# Altium PCB LION_TRACKER.PcbDoc (part 2 of 2)
Units mm, origin at the board's own origin, x right, y up, seen from the top; angles counter-clockwise.
Board outline 21 x 82 mm, 2 copper layers (Top Layer, Bottom Layer), stack 1.579 mm thick; 109 components, 84 nets, 411 pads, 548 vias.
Unrouted connection lines stored in the file: 5.
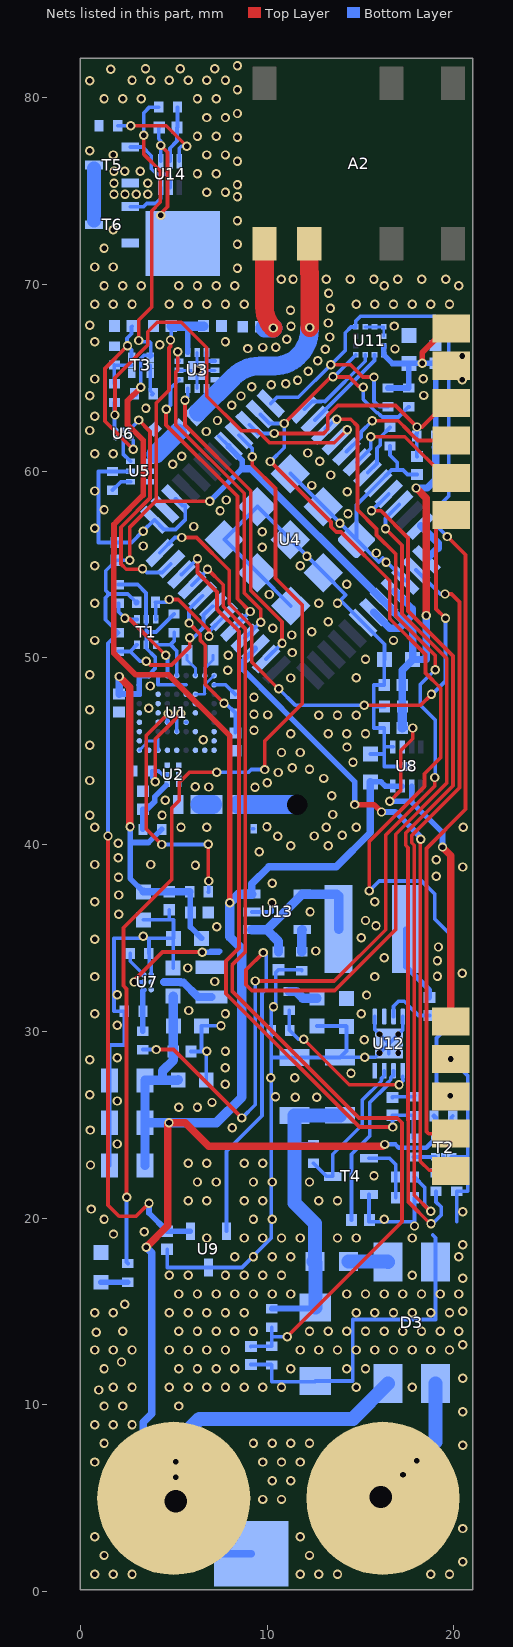
[diagram p2: the nets of this part, all layers, seen from the top]

## Via types
v1: diameter 0.5, hole 0.3, Top Layer to Bottom Layer, tented both sides, 542 vias
v2: diameter 0.3, hole 0.3, Top Layer to Bottom Layer, tented both sides, 4 vias
v3: diameter 1.2, hole 1.2, Top Layer to Bottom Layer, tented both sides, 2 vias

## Nets (pads, with @x,y where several pads share a name; then routed paths per layer and width w, separated by ;. In a path a pad name is that pad's centre, name@x,y a point inside that pad or via, vN(x,y) a via of type N, cw(c..) or ccw(c..) an arc to the next point about the centre after c; other vN are vias at no path point)
+1.8V: C3.2 C4.2 C22.2 C23.2 C24.2 L5.2 R1.2 R4.2 R5.1 R7.1 T1.2 T1.5 U1.G1 U1.H1 U1.J1 U1.J2 U7.B2 | length 37.5
  Top Layer w0.2: v1(2.875,32.65) 2.875,32.735 4.39,34.25 v1(6.525,34.25)
  Top Layer w0.4: v1(2.08,49.01) 2.65,48.44 2.65,41.02 v1@2.7,40.97
  Bottom Layer w0.2: R5.1@2.04,53.93 3.07,53.93 3.52,53.48 3.52,52.075 T1.2@3.53,52.065 3.53,51.39 ; v1(2.875,32.65) 3.38,32.65 U7.B2@3.39,32.64 ; U1.J2@3.66,49.06 3.66,49.093 4,49.433 4,49.625 4.007,49.632 4.007,50.027 4,50.034 4,50.049 3.53,50.519 T1.5@3.53,50.715 3.53,51.39 ; R7.1@5.02,52.359 4.051,51.39 3.53,51.39
  Bottom Layer w0.3: C3.2@2.07,48.07 3.15,48.07 U1.G1@3.16,48.06 U1.H1@3.16,48.56 U1.J1@3.16,49.06 U1.J2@3.66,49.06 ; v1(2.66,40.97) 2.66,40.156 ; C24.2@3.37,37.48 2.66,38.19 2.66,40.156 ; R1.2@4.35,40.82 3.65,40.12 2.696,40.12 2.66,40.156 ; R4.2@5.85,37.48 5.89,37.44 C22.2@5.89,36.37 5.89,35.59 C23.2@6.49,34.99 ; v1(6.525,34.25) 7.41,34.25 7.452,34.292 6.976,34.292
  Bottom Layer w0.4: C3.2@2.07,48.07 2.08,48.08 v1(2.08,49.01) ; C24.2@3.39,37.5 C24.2@3.37,37.48 C4.2@4.76,37.48 R4.2@5.85,37.48 R4.2@5.83,37.46
+2.5V: C8.2 C9.2 C12.2 C13.2 C14.2 C15.2 C34.2 C36.1 C37.1 C38.2 pad.101 pad.201 R6.2 R8.2 R10.2 R11.2 R18.2 U3.4 U4.4 U4.5 U4.6 U4.32 U8.2 U8.6 U9.1 U11.9 U11.10 | length 137.2
  Top Layer w0.2: v1(1.48,40.47) 1.48,20.695 2.075,20.1 2.975,20.1 v1(3.675,20.8) ; v1(2.65,55.23) 2.65,57.018 4.022,58.39 ; v1(4.825,67.028) 4.825,66.684 4.743,66.603 4.743,64.333 4.061,63.651 4.061,58.429 4.022,58.39 ; v1(6.92,58.39) 4.022,58.39 ; v1(16.575,42.325) 17.15,42.9 17.15,45.027 17.798,45.675 v1(17.798,46.25)
  Top Layer w0.3: v1(18.305,65.78) 18.305,66.355 20,68.05 19.925,68.125 pad.101@19.625,68.125
  Top Layer w0.4: v1(17.976,59.103) 18.525,58.554 v1(18.525,52.275) ; v1(19.391,39.875) 19.843,39.423 pad.201@19.843,30.525
  Bottom Layer w0.2: v1(1.48,40.47) 1.48,50.79 R6.2@2.04,51.35 1.34,52.05 1.34,53.23 1.54,53.43 ; v1(2.65,55.23) C15.2@1.92,55.23 1.36,54.67 1.36,53.61 1.54,53.43 ; R8.2@3.02,52.98 2.99,52.98 2.54,53.43 1.54,53.43 ; v1(4.825,67.028) 4.87,67.073 C9.2@4.87,67.77 ; U4.32@7.412,61.88 U4.32@7.93,61.362 ; C34.2@17.235,46.25 v1(17.798,46.25)
  Bottom Layer w0.3: R8.2@3,52.96 R8.2@3.02,52.98 ; v1(3.675,20.8) 3.675,20.275 C36.1@4.65,19.3 U9.1@5.89,19.3 ; 5.735,67.77 cw(c5.694,67.729) 5.752,67.729 U3.4@5.752,66.362 ; v1(6.92,58.39) 8.67,60.14 8.67,60.584 7.93,61.324 U4.32@7.93,61.362 ; U11.9@16.25,66.73 U11.10@16.25,66.23 16.71,65.77 C37.1@17.59,65.77 ; R11.2@16.47,64.46 R10.2@17.59,64.46 C37.1@17.59,65.77 ; v1(16.575,42.325) 17.71,42.325 ; U8.6@17.735,43.14 17.735,43.12 17.735,42.35 17.71,42.325 ; R18.2@19.02,61.89 19.02,65.77 C38.2@19.01,65.78 17.6,65.78 C37.1@17.59,65.77 ; v1@19.454,39.938 v1(19.391,39.875) 19.391,40.645 17.71,42.325
  Bottom Layer w0.4: 8.67,60.14 9.138,60.14 U4.5@16.266,53.011 17.381,51.897 ; U4.6@15.701,52.446 16.556,51.59 17.073,51.59 17.381,51.897 ; U4.4@16.832,53.577 17.76,52.649 17.76,52.277 17.381,51.897 ; C13.2@17.245,47.4 17.245,48.54 C14.2@17.235,48.55 17.235,49.345 C12.2@17.8,49.91 ; C12.2@17.81,49.9 C12.2@17.8,49.91 ; v1(17.976,59.103) 18.578,59.103 19.02,59.545 19.02,61.302 ; v1(18.525,52.275) 18.525,49.92 C12.2@17.79,49.92 ; 19,61.282 19.02,61.302 ; R18.2@19.02,61.89 19.02,61.302 ; 17.381,51.897 17.79,51.488 C12.2@17.79,49.92 ; C12.2@17.79,49.92 C12.2@17.8,49.91
  Bottom Layer w0.5: C9.2@4.87,67.77 5.735,67.77 C8.2@6.6,67.77 ; C34.2@17.235,46.25 17.235,47.39 C13.2@17.245,47.4
A_INT1: U4.37 U11.12 | length 4.7
  Bottom Layer w0.2: U4.37@11.988,63.314 12.413,63.738 12.884,63.738 12.891,63.746 13.079,63.746 13.087,63.738 13.096,63.738 15.25,65.893 U11.12@15.25,66.23
A_INT2: U4.38 U11.11 | length 4.8
  Bottom Layer w0.2: U4.38@12.561,62.741 15.75,65.93 U11.11@15.75,66.23
AC+: D3.4 TAB3.1 | length 15.8
  Bottom Layer w0.75: v3(5.11,4.85) 5.11,7.99 6.38,9.26 14.59,9.26 D3.4@16.48,11.15
  other v1: 5.11,6.119 5.11,6.949
AC-: D3.3 TAB1.1 | length 7.3
  Bottom Layer w0.75: v3(16.08,5.07) 19.02,8.01 D3.3@19.02,11.15
  other v1: 17.276,6.266 18.019,7.009
ANT: A2.2 C7.2 U3.9 U3.10 | length 12.6
  Top Layer w1: A2.2@12.26,72.18 12.26,70.654 ccw(c12.294,70.654) 12.27,70.63 12.28,70.62 v1(12.28,67.7)
  Bottom Layer w1: 6.312,63.172 8.18,65.04 cw(c9.629,63.591) 9.629,65.64 10.386,65.64 ccw(c10.386,67.484) 11.69,66.18 ccw(c10.29,67.58) 12.27,67.58 12.28,67.59 v1(12.28,67.7)
BAT_AN: C10.2 R12.1 R15.2 U4.22 | length 40.6
  Top Layer w0.2: v1(6.27,55.31) 6.27,54.58 7.321,53.529 7.321,52.629 7.348,52.602 7.348,52.59 7.375,52.563 7.375,52.55 8.496,51.429 8.496,36.705 8.498,36.703 8.498,34.473 7.8,33.775 7.8,32.025 14.945,24.88 v1(16.72,24.88)
  Bottom Layer w0.2: U4.22@5.414,54.466 5.426,54.466 v1(6.27,55.31) ; v1(16.72,24.88) 16.71,24.89 C10.2@16.71,25.51 17.84,25.51 R15.2@17.84,25.5 R12.1@17.84,24.28
BAT_MON_EN: R14.1 U4.45 | length 45.4
  Top Layer w0.2: v1(15.59,57.88) 16.095,57.88 17.549,56.426 17.549,52.51 19.95,50.109 19.95,43.163 17.422,40.635 17.422,39.969 17.549,39.842 17.549,38.426 17.55,38.425 17.55,25.252 17.552,25.25 17.552,20.888 18.74,19.7 v1(18.775,19.7)
  Bottom Layer w0.2: v1@15.583,57.857 v1@15.59,57.865 ; v1@15.59,57.82 v1@15.59,57.865 ; v1(15.59,57.88) v1@15.59,57.865 ; U4.45@16.514,58.788 v1@15.59,57.865 ; v1(18.775,19.7) 18.85,19.7 19.325,20.175 19.325,20.595 19.05,20.87 R14.1@19.05,21.44
BOOT0: R17.1 U4.43 | length 2.9
  Bottom Layer w0.2: U4.43@15.382,59.92 15.88,60.417 15.88,61.23 16.053,61.403 16.053,61.823 R17.1@16.58,62.35
CHG_DIS: R31.1 U4.2 | length 39.4
  Top Layer w0.2: v1@18.779,20.331 17.879,21.231 17.879,25.386 17.877,25.388 17.877,38.56 17.876,38.562 17.876,39.977 17.749,40.104 17.749,40.5 20.298,43.049 20.298,53.002 19.875,53.425 v1(19.525,53.425)
  Bottom Layer w0.2: R31.1@17.89,22.2 18.44,21.65 18.44,20.71 v1(18.77,20.38) ; U4.2@17.97,54.716 19.266,53.42 19.271,53.425 v1(19.525,53.425)
GND: C1.1 C3.1 C4.1 C8.1 C9.1 C10.1 C11.1 C12.1 C13.1 C14.1 C15.1 C16.2 C17.1 C18.1 C19.1 C20.1 C21.1 C22.1 C23.1 C24.1 C28.1 C29.1 C30.1 C31.1 C32.1 C33.1 C34.1 C36.2 C37.2 C38.1 C40.1 C41.1 C42.1 C43.1 C44.1 D1.A D2.1 D3.2 D4.A L3.1 L4.1 pad.102 pad.202 R3.1 R15.1 R16.1 R17.2 R19.1 R22.1 R24.1 R25.1 R29.1 R30.1 R32.1 R34.1 R36.1 T2.1 T3.1 T4.2 T5.2 U1.A1 U1.A3 U1.A5 U1.A7 U1.A8 U1.A9 U1.B9 U1.C7 U1.C9 U1.D6 U1.E7 U1.F7 U1.G3 U1.G6 U1.G7 U1.J3 U1.J9 U2.1 U2.2 U3.0 U3.2 U3.5 U3.6 U3.7 U3.8 U3.11 U4.3 U4.7 U4.25 U4.27 U4.44 U4.49 U4.50 U4.51 U4.52 U4.53 U4.54 U4.55 U4.56 U4.57 U5.2 U5.5 U6.B2 U6.C1 U7.A3 U8.0 U8.1 U9.3 U11.5 U11.6 U11.7 U11.8 U12.5 U12.8 U12.9 U13.2 | length 171.9
  Bottom Layer w0.152: U1.A1@3.16,45.06 3.513,45.413 3.513,45.56 4.036,45.56 4.16,45.684 U1.A3@4.16,45.06 ; U3.2@5.29,65.4 v1(6.252,65.4) ; U1.G7@6.16,48.06 6.64,48.06 6.67,48.09 6.65,48.11 6.65,48.55 U1.J9@7.16,49.06 ; U3.11@6.252,64.438 v1(6.252,65.4) ; U3.5@6.252,66.362 v1(6.252,65.4) ; U3.8@7.214,65.4 v1(6.252,65.4) ; U11.5@15.25,67.73 U11.6@15.75,67.73 U11.7@16.25,67.73 U11.8@16.25,67.23
  Bottom Layer w0.2: C29.1@1.56,22.818 C30.1@1.56,25.118 C28.1@1.56,27.38 1.56,29.27 2.35,29.27 R24.1@2.35,31.08 1.8,31.08 1.8,34.99 3.67,34.99 ; U5.5@2.68,59.99 R19.1@1.72,59.99 0.97,59.99 0.97,56.19 C15.1@1.92,56.19 2.754,56.19 v1(3.36,56.795) U4.25@3.965,57.4 4.485,56.88 5.1,56.88 5.61,57.39 5.61,58.162 5.47,58.162 U4.27@5.098,58.534 ; C24.1@3.37,35.98 4.76,35.98 ; U7.A3@3.79,33.04 3.79,33.63 3.69,33.63 3.69,34.18 R25.1@3.67,34.18 3.67,34.99 ; U1.J3@4.16,49.06 4.16,48.56 5.66,48.56 ; C36.2@4.65,18.34 4.65,17.36 U9.3@6.86,17.36 8.65,17.36 10.215,18.925 10.215,28.607 ; C4.1@4.76,36.52 4.76,35.98 ; C18.1@4.97,33.39 C23.1@4.97,34.99 ; U1.D6@5.66,46.56 U1.D6@5.693,46.56 ; C21.1@5.93,28.93 6.48,28.93 ; C19.1@6.74,27.4 6.74,28.93 6.48,28.93 ; U3.6@6.752,66.362 6.752,65.9 U3.7@7.214,65.9 ; v1(7.53,30.31) 6.48,30.31 C20.1@6.48,30.29 6.48,28.93 ; C44.1@9.13,12.17 10.22,12.17 R34.1@10.25,12.14 10.25,11.235 D4.A@12.58,11.235 ; U13.2@9.18,36.4 10.255,36.4 10.26,36.405 v1(10.26,36.884) ; D1.A@9.215,40.85 D1.A@9.29,40.85 ; U4.51@11.248,59.875 U4.50@13.016,58.108 v1(13.9,57.224) U4.49@14.784,56.34 ; U4.55@11.266,52.787 U4.56@9.48,54.572 U4.57@7.712,56.34 U4.54@9.48,58.108 U4.53@11.248,56.34 v1(12.132,55.456) U4.52@13.016,54.572 14.208,53.38 14.208,53.368 13.935,53.095 U4.7@15.142,51.887 16.29,50.739 C12.1@16.29,49.92 16.275,49.905 C14.1@16.275,48.55 15.715,48.55 15.715,47.4 ; R29.1@11.86,33.26 11.86,33.3 C40.1@10.61,33.3 10.467,33.157 10.467,31.452 v1(10.341,31.326) 10.215,31.2 R30.1@10.215,30.051 10.215,28.607 ; D4.A@12.58,11.285 14.59,11.285 14.59,14.57 19.02,14.57 D3.2@19.02,17.65 19.02,18.955 18.873,19.102 ; C42.1@12.67,30.287 14.23,30.287 C41.1@14.25,30.267 14.25,28.957 C32.1@13.91,28.617 ; T4.2@15.46,21.27 15.46,19.81 17.89,19.81 R32.1@17.89,21.1 ; C33.1@15.535,44.86 16.275,44.86 ; U12.5@15.77,30.797 15.77,30.097 v2(16.02,29.847) U12.9@16.52,29.347 ; C13.1@16.285,47.4 15.715,47.4 ; U12.9@16.52,28.82 U12.9@16.52,29.347 ; R17.2@16.58,61.35 16.58,60.86 16.968,60.472 16.968,60.07 ; C10.1@16.71,26.47 16.71,26.5 R15.1@17.84,26.5 R15.1@17.908,26.568 ; U8.1@16.735,45.24 16.275,45.24 ; U12.8@17.27,30.797 17.27,30.097 v2(17.02,29.847) U12.9@16.52,29.347 ; U4.3@17.398,54.143 16.39,55.15 16.19,55.35 15.983,55.143 15.981,55.143 U4.49@14.784,56.34 ; U8.0@17.485,44.19 16.275,44.19 16.275,44.86 ; C11.1@18.03,59.83 17.513,59.83 17.273,60.07 16.968,60.07 ; v1(19.843,28.525) 20.75,27.618 20.75,23.28 ; T2.1@19.88,23.28 20.75,23.28 ; 20.15,19.81 R16.1@20.15,21.44 20.75,21.44 20.75,23.28 ; 3.67,34.99 C23.1@4.97,34.99 ; 4.76,35.98 4.99,35.98 C23.1@4.99,34.99 C23.1@4.97,34.99 ; 10.215,28.607 C31.1@11.47,28.607 13.9,28.607 C32.1@13.91,28.617 ; C32.1@13.91,28.617 v1(15.232,28.617) 15.79,28.617 v2(16.02,28.847) U12.9@16.52,29.347 ; U4.49@14.784,56.34 14.784,58.19 U4.44@15.948,59.354 16.664,60.07 16.968,60.07 ; 15.715,47.4 15.715,46.25 C34.1@16.275,46.25 16.275,45.24 ; 16.275,44.86 16.275,45.24
  other v1: 0.768,0.94 1.768,0.94 2.768,0.94 11.768,0.94 12.768,0.94 13.768,0.94 18.768,0.94 19.768,0.94 20.48,1.6 1.268,1.94 12.268,1.94 0.768,2.94 11.768,2.94 20.48,3.38 9.768,4.94 10.768,4.94 10.268,5.94 11.268,5.94 0.768,6.94 9.768,6.94 10.768,6.94 11.768,6.94 20.48,7.85 1.268,7.94 9.268,7.94 10.268,7.94 11.268,7.94 12.268,7.94 0.768,8.94 1.768,8.94 2.768,8.94 20.48,9.64 1.268,9.94 2.268,9.94 5.268,9.94 0.975,10.8 1.768,10.94 2.768,10.94 4.768,10.94 5.768,10.94 6.768,10.94 7.768,10.94 8.768,10.94 9.768,10.94 10.768,10.94 14.768,10.94 17.768,10.94 20.48,11.43 1.268,11.94 5.268,11.94 6.268,11.94 7.268,11.94 8.268,11.94 11.268,11.94 14.268,11.94 15.268,11.94 2.2,12.3 0.768,12.94 1.768,12.94 2.768,12.94 4.768,12.94 5.768,12.94 6.768,12.94 7.768,12.94 11.768,12.94 12.768,12.94 13.768,12.94 14.768,12.94 15.768,12.94 16.768,12.94 17.768,12.94 18.768,12.94 19.768,12.94 20.48,13.22 0.85,13.9 2.268,13.94 5.268,13.94 6.268,13.94 7.268,13.94 8.268,13.94 9.268,13.94 12.268,13.94 13.268,13.94 14.268,13.94 15.268,13.94 16.268,13.94 17.268,13.94 18.268,13.94 19.268,13.94 20.268,13.94 0.768,14.94 1.768,14.94 4.768,14.94 5.768,14.94 6.768,14.94 7.768,14.94 8.768,14.94 14.768,14.94 15.768,14.94 16.768,14.94 17.768,14.94 18.768,14.94 19.768,14.94 20.48,15.01 2.375,15.4 5.268,15.94 6.268,15.94 7.268,15.94 8.268,15.94 9.268,15.94 10.268,15.94 11.268,15.94 14.268,15.94 15.268,15.94 16.268,15.94 17.268,15.94 18.268,15.94 19.268,15.94 20.268,15.94 20.48,16.79 4.768,16.94 5.768,16.94 7.768,16.94 8.768,16.94 9.768,16.94 10.768,16.94 17.768,16.94 8.268,17.94 9.268,17.94 10.268,17.94 11.268,17.94 20.268,17.94 20.48,18.57 6.768,18.94 8.768,18.94 9.768,18.94 10.768,18.94 11.768,18.94 13.768,18.94 14.768,18.94 17.768,18.94 1.775,19.15 3.425,19.275 17.89,19.58 1.268,19.94 9.268,19.94 10.268,19.94 16.268,19.94 20.48,20.35 0.59,20.49 5.768,20.94 6.768,20.94 8.768,20.94 9.768,20.94 12.768,20.94 13.768,20.94 6.268,21.94 7.268,21.94 9.268,21.94 10.268,21.94 12.268,21.94 15.725,22.275 0.54,22.85 5.768,22.94 6.768,22.94 8.768,22.94 9.768,22.94 1.975,23.975 0.52,24.72 8.125,24.85 5.268,25.94 6.268,25.94 7.05,26.2 1.975,26.275 11.5,26.475 12.65,26.475 10.45,26.5 0.5,26.61 7.75,27.175 10.2,27.53 11.48,27.53 14.49,27.76 7.75,28.05 0.5,28.48 1.975,28.6 6.768,28.94 7.768,28.94 15.2,29.55 1.975,30.325 0.768,30.94 7.768,30.94 15.04,30.95 5.8,31.125 15.325,31.95 1.975,31.975 7.2,32.675 0.768,32.94 15.768,32.94 19.12,32.96 20.45,33.11 5.75,33.4 19.12,33.78 16.268,33.94 12.6,34.31 19.175,34.525 0.768,34.94 15.05,35.01 3.375,35.1 7.3,35.6 15.83,35.67 15.268,35.94 2.06,36.27 12.3,36.41 0.768,36.94 15.768,36.94 2.05,37.31 10.268,37.94 2.04,38.26 19.05,38.31 20.47,38.81 6.161,38.91 0.768,38.94 3.768,38.94 19.06,39.2 2.025,39.3 9.57,39.63 11.268,39.94 13.268,39.94 2.025,40.075 10.57,40.45 12.53,40.47 14.025,40.5 6.77,40.93 13.17,40.93 20.5,40.93 0.768,40.94 5.39,40.94 14.768,40.94 9.99,40.97 0.5,41.57 4.375,41.575 13.51,41.62 4.55,42.375 13.47,42.63 6.88,43.09 9.35,43.077 6.16,43.1 10.01,43.32 0.5,43.44 13.03,43.55 10.59,43.87 12.27,44.04 11.35,44.12 14.6,44.41 10.768,44.94 11.768,44.94 14.28,45.23 0.5,45.33 6.58,45.63 11.268,45.94 13.268,45.94 14.268,45.94 15.268,45.94 9.3,46.125 10.025,46.95 12.768,46.94 13.768,46.94 14.768,46.94 9.3,46.983 0.5,47.22 3.66,47.314 9.3,47.9 3.75,48.5 11.26,48.93 14.768,48.94 0.5,49.11 7.9,49.35 15.268,49.94 7.925,50.15 11.35,50.29 0.768,50.94 16.768,50.94 11.32,51.23 12.39,51.41 10.31,51.6 13.268,51.94 0.768,52.94 12.768,52.94 13.768,52.94 10.11,53.4 14.268,53.94 0.768,54.94 11.768,54.94 16.37,55.13 15.85,55.62 9.74,55.93 3.37,56 9.74,56.76 0.768,56.94 6.07,57.04 14.33,57.73 7.48,57.89 1.268,57.94 7.81,58.46 14.3,58.9 0.768,58.94 12.39,59.24 13.41,59.8 4.95,60.38 12.81,60.53 5.43,60.81 0.768,60.94 1.768,60.94 12.175,60.975 6.74,62.13 0.5,62.18 7.34,62.72 0.768,62.94 3.51,63.38 8.11,63.54 8.6,64.03 0.5,64.05 18.39,64.06 9.17,64.52 10.22,64.63 10.99,64.69 11.63,64.88 20.449,64.9 0.768,64.94 18.37,64.95 12.21,65.35 12.72,65.92 20.45,66.17 13.12,66.54 16.85,66.55 8.97,66.57 9.76,66.63 10.46,66.64 4.25,66.77 0.768,66.94 7.768,66.94 11.06,67.06 13.35,67.19 11.28,67.77 16.8,67.775 0.5,67.81 13.268,67.94 11.25,68.63 13.39,68.73 0.768,68.94 1.768,68.94 2.768,68.94 4.768,68.94 5.768,68.94 6.768,68.94 7.768,68.94 8.768,68.94 14.768,68.94 15.768,68.94 16.768,68.94 17.768,68.94 18.768,68.94 19.768,68.94 13.29,69.54 1.268,69.94 2.268,69.94 3.268,69.94 5.268,69.94 6.268,69.94 7.268,69.94 8.268,69.94 16.268,69.94 20.268,69.94 10.75,70.29 11.39,70.29 13.17,70.29 14.45,70.29 15.72,70.29 17,70.29 18.28,70.29 19.56,70.29 8.41,70.88 0.768,70.94 1.768,70.94 1.268,71.94 8.41,72.15 1.768,72.94 8.41,73.42 8.41,74.7 1.8,74.83 2.39,74.83 3,74.83 3.6,74.83 6.768,74.94 7.768,74.94 8.41,75.34 1.8,75.43 3.6,75.43 6.268,75.94 7.268,75.94 1.8,76.06 2.37,76.06 3.2,76.06 8.41,76.61 1.768,76.94 6.768,76.94 7.768,76.94 0.5,77.17 8.41,77.88 6.268,77.94 7.268,77.94 6.768,78.94 7.768,78.94 8.41,79.16 1.268,79.94 2.268,79.94 3.268,79.94 6.268,79.94 7.268,79.94 8.41,80.43 0.5,80.92 2.768,80.94 3.768,80.94 4.768,80.94 5.768,80.94 6.768,80.94 7.768,80.94 1.62,81.53 3.49,81.55 5.35,81.55 7.2,81.55 8.41,81.71
  other v2: 17.02,28.847
GND_BAT: C45.1 P1.2 T6.2 U14.4 | length 5.9
  Top Layer w0.2: v1(4.3,73.7) 4.3,73.8 4.66,74.16 4.66,77.088 v1(4.3,77.448)
  Bottom Layer w0.2: C45.1@4.22,78.4 4.2,78.38 4.2,77.8 4.3,77.7 v1(4.3,77.448) U14.4@4.3,76.6
GPS_EN: R23.1 U4.39 | length 55.2
  Top Layer w0.2: v1(4.07,29.03) 4.99,29.03 v1(8.65,25.37) ; v1(9.36,32.7) 13.6,32.7 16.35,35.45 16.35,40.525 18.975,43.15 v1(18.975,43.6) ; v1(13.721,62.784) 14.474,62.784 14.84,62.417 14.84,57.935 15.863,56.912 15.863,56.587 16.895,55.555 16.895,52.239 19,50.134 v1(19,49.375)
  Bottom Layer w0.2: R23.1@3.34,29.02 3.35,29.03 v1(4.07,29.03) ; v1(8.65,25.37) 9.36,26.08 v1(9.36,32.7) ; U4.39@13.12,62.183 13.12,62.26 13.644,62.784 v1(13.721,62.784) ; v1@19,43.6 19,46.675 18.2,47.475 18.2,48.575 v1(19,49.375)
GPS_RX: R8.1 T1.3 U4.18 | length 6.3
  Top Layer w0.2: v1(4.76,53.13) 5.245,53.13 6.89,51.485 v1(6.89,51.159)
  Bottom Layer w0.2: T1.3@4.055,52.09 T1.3@4.03,52.065 4.03,52.97 R8.1@4.02,52.98 4.61,52.98 v1(4.76,53.13) ; v1(6.89,51.159) 6.89,51.416 U4.18@7.677,52.203
GPS_TX: R6.1 T1.6 U4.19 | length 7.9
  Top Layer w0.2: v1(3.53,49.83) 3.547,49.83 3.757,49.62 4.877,49.62 5.85,50.593 v1(5.85,51.08)
  Bottom Layer w0.2: R6.1@2.04,50.35 2.665,50.35 ; T1.6@3.03,50.715 2.665,50.35 ; v1(3.53,49.83) 3.185,49.83 2.665,50.35 ; v1(5.85,51.08) 6.03,51.08 6.04,51.07 6.599,51.629 6.599,52.299 7.069,52.769 U4.19@7.111,52.769
INPUT_AN: C44.2 R33.1 R34.2 U4.21 | length 53.9
  Top Layer w0.2: v1(6.81,54.76) 7.648,53.922 7.648,52.765 7.675,52.738 7.675,52.725 8.823,51.577 8.823,36.84 8.825,36.838 8.825,34.25 8.127,33.552 8.127,32.16 14.917,25.37 16.97,25.37 17.225,25.115 17.225,19.805 v1(11.07,13.65)
  Bottom Layer w0.2: U4.21@5.981,53.901 6.81,54.73 v1(6.81,54.76) ; C44.2@9.13,13.13 9.14,13.14 R34.2@10.25,13.14 10.25,13.65 ; R33.1@10.25,14.16 10.25,13.65 ; v1(11.07,13.65) 10.25,13.65
LED: R9.1 U4.33 | length 52.1
  Top Layer w0.2: v1(2.475,21.125) 2.475,32.27 2.303,32.442 2.303,35.553 4.89,38.14 4.89,41.965 5.3,42.375 5.3,43.34 5.835,43.875 v1(7.3,43.875) ; v1(9.2,60.78) 9.2,60.325 10.45,59.075 10.45,54.275 11.875,52.85 11.875,47.55 9.875,45.55 v1(9.875,44.025)
  Bottom Layer w0.2: v1(2.475,21.125) 2.475,17.655 2.55,17.58 R9.1@2.54,17.57 ; v1(7.3,43.875) 8.995,43.875 9.145,44.025 v1(9.875,44.025) ; U4.33@8.495,61.928 9.2,61.223 v1(9.2,60.78)
LIGHT_PW: pad.205 U4.15 | length 34.8
  Top Layer w0.2: v1@18.12,40.408 v1(18.226,40.302) 18.12,40.196 18.203,40.113 18.203,38.697 18.204,38.696 18.204,25.523 18.206,25.521 18.206,23.044 18.679,22.571 pad.205@19.796,22.571
  Top Layer w0.3: v1(14.7,42.15) 15.725,42.15 v1(16.125,41.75)
  Bottom Layer w0.3: U4.15@9.374,50.506 8.675,49.807 8.675,49.4 10.598,47.477 10.598,47.467 10.601,47.467 11.045,47.023 ; 11.052,47.023 11.045,47.023 ; v1(14.7,42.15) 14.7,43.368 11.045,47.023 ; v1(16.125,41.75) 16.875,41.75 18.226,40.399 v1(18.226,40.302)
LORA_ANT: C7.1 L4.2 U5.1 | length 1.6
  Bottom Layer w1: 4.045,60.905 5.2,62.06
NetA1_1: A1.1 C2.2 D1.K | length 3.1
  Bottom Layer w1: C2.2@8.47,42.15 9.29,42.15 A1.1@11.61,42.15
NetA2_1: A2.1 L3.2 | length 5.1
  Top Layer w1: A2.1@9.86,72.18 9.86,68.781 ccw(c11.431,68.781) v1(10.32,67.67)
  Bottom Layer w1: L3.2@9.88,67.67 v1(10.32,67.67)
NetC1_2: C1.2 R1.1 U2.4 | length 3
  Bottom Layer w0.3: R1.1@3.35,40.82 3.35,41.89 C1.2@3.36,41.9 3.575,41.9 3.975,42.3 3.975,42.565 U2.4@4.59,43.18
NetC2_1: C2.1 L1.2 | length 0.7
  Bottom Layer w1: L1.2@6.41,42.15 C2.1@7.09,42.15
NetC16_1: C16.1 T3.3 U6.A1 | length 9
  Top Layer w0.2: v1(2.525,66.715) 1.32,65.51 1.32,62.68 v1(2.83,61.17)
  Bottom Layer w0.2: T3.3@2.74,66.11 2.74,66.487 2.499,66.729 2.499,67.124 2.74,67.365 2.74,67.73 C16.1@2.78,67.77 ; v1(2.83,61.17) 2.83,61.66
NetC39_1: C39.1 U12.7 | length 2.9
  Bottom Layer w0.2: U12.7@16.77,30.797 16.77,31.35 17.04,31.62 17.34,31.62 18.1,30.86 C39.1@18.69,30.86
NetC39_2: C39.2 L6.1 U12.6 | length 4.2
  Bottom Layer w0.3: L6.1@17.43,35.48 17.43,33.474 18.69,32.214 C39.2@18.69,31.82
NetC43_2: C43.2 U12.2 | length 9
  Bottom Layer w0.2: C43.2@14.52,19.9 14.52,23.42 15.5,24.4 15.5,26.201 16.439,27.14 16.439,27.245 16.452,27.245 16.622,27.415 16.622,27.527 16.718,27.624 16.77,27.624 U12.2@16.77,27.897
NetC45_2: C45.2 R35.1 U14.5 | length 3.1
  Bottom Layer w0.2: U14.5@4.8,76.6 4.8,77.3 5.18,77.68 C45.2@5.18,78.4 5.2,78.42 R35.1@5.2,79.5
NetD2_2: D2.2 R9.2 | length 1.4
  Bottom Layer w0.3: D2.2@1.1,16.57 R9.2@2.54,16.57
NetD3_1: D3.1 F1.1 | length 2.1
  Bottom Layer w0.5: F1.1@14.28,17.67 F1.1@14.29,17.68
  Bottom Layer w0.75: F1.1@14.36,17.68 16.45,17.68 D3.1@16.48,17.65
NetL1_1: L1.1 U2.3
NetL5_1: L5.1 U7.A2 | length 2.9
  Bottom Layer w0.425: 4.48,32.64 5.37,32.64 5.38,32.63 5.511,32.63 6.3,31.84 L5.1@7.02,31.84
NetR2_2: R2.2 U1.H9 | length 1.4
  Bottom Layer w0.2: U1.H9@7.16,48.56 7.79,48.56 R2.2@8.3,48.05
NetR3_2: R3.2 U1.C5 U2.5 | length 6.9
  Top Layer w0.2: v1(4.01,43.38) 4.01,45.66 4.903,46.553 4.908,46.553 5.187,46.832 5.187,46.837 v1(5.38,47.03)
  Bottom Layer w0.2: v1(4.01,43.38) 3.82,43.57 R3.2@3.82,43.95 4.19,43.95 4.39,43.75 U2.5@4.66,43.75 U2.5@4.65,43.76 ; U1.C5@5.16,46.06 5.16,46.77 5.38,46.99 v1(5.38,47.03)
NetR4_1: R4.1 U1.D4 | length 13.4
  Top Layer w0.2: v1(4.36,40.01) 3.525,40.845 3.525,45.845 v1(4.71,47.03) ; v1(6.85,40.03) 6.85,38.08 v1(6.87,38.06)
  Bottom Layer w0.2: v1(4.36,40.01) 6.83,40.01 v1(6.85,40.03) ; U1.D4@4.66,46.56 4.66,46.98 v1(4.71,47.03) ; R4.1@6.86,37.47 R4.1@6.85,37.48 6.87,37.5 v1(6.87,38.06)
NetR12_2: R12.2 T2.3 | length 1.2
  Bottom Layer w0.2: R12.2@17.84,23.28 T2.3@19.02,23.28
NetR13_1: R13.1 T2.5 T2.6 | length 1.6
  Bottom Layer w0.2: T2.5@19.45,24.28 T2.6@19.88,24.28 19.88,25.41 R13.1@19.94,25.47
NetR14_2: R14.2 R16.2 T2.2 | length 2
  Bottom Layer w0.2: R14.2@19.05,22.44 19.6,22.44 ; T2.2@19.45,23.28 19.45,22.87 19.6,22.72 19.6,22.44 ; R16.2@20.15,22.44 19.6,22.44
NetR19_2: R19.2 U5.4 | length 1.1
  Bottom Layer w0.2: R19.2@1.72,58.99 2.17,59.44 U5.4@2.68,59.44
NetR20_1: R20.1 T3.5 T3.6 | length 1.7
  Bottom Layer w0.2: T3.5@3.74,65.68 T3.6@3.74,65.25 3.74,64.31 R20.1@3.9,64.15 R20.1@3.84,64.09
NetR21_2: R21.2 R22.2 T3.2 | length 1.9
  Bottom Layer w0.2: R21.2@1.82,64.68 R22.2@1.82,65.69 1.83,65.68 T3.2@2.74,65.68
NetR25_2: R25.2 U7.B3 | length 1.4
  Bottom Layer w0.2: R25.2@2.67,34.18 2.67,33.76 U7.B3@3.39,33.04
NetR27_1: R27.1 T4.3 U12.3 | length 8.1
  Bottom Layer w0.2: R27.1@12.49,22.94 13.19,22.24 T4.3@13.52,22.24 13.52,23.42 15.1,25 15.1,26.325 16.112,27.337 16.112,27.405 16.122,27.415 16.122,27.49 16.27,27.638 U12.3@16.27,27.897
NetR28_1: R28.1 R30.2 U12.1 | length 8.7
  Top Layer w0.2: v1(11.96,29.58) 14.393,27.147 v1(17.066,27.147)
  Bottom Layer w0.2: R28.1@11.19,31.14 11.19,30.076 R30.2@11.215,30.051 11.686,29.58 v1(11.96,29.58) ; v1(17.066,27.147) 17.045,27.147 17.275,27.377 17.27,27.383 U12.1@17.27,27.59
NetR29_2: R29.2 U13.5 | length 1.2
  Bottom Layer w0.5: R29.2@11.86,34.26 11.86,35.43 U13.5@11.88,35.45
NetR31_2: R31.2 R32.2 T4.1 | length 3.3
  Bottom Layer w0.2: T4.1@15.46,23.21 16.56,23.21 16.89,22.88 R31.2@16.89,22.2 R32.2@16.89,21.1
NetR36_2: R36.2 U14.6 | length 5.3
  Top Layer w0.2: v1(2.7,78.5) 4.6,78.5 v1(5.7,77.4)
  Bottom Layer w0.2: R36.2@2,78.5 v1(2.7,78.5) ; U14.6@5.3,76.6 5.3,77.3 5.4,77.4 v1(5.7,77.4)
NetT5_1: T5.1 U14.2 | length 3.8
  Bottom Layer w0.2: T5.1@2.67,77.37 3.33,77.37 3.8,76.9 3.8,76.2 4.1,75.9 4.7,75.9 4.8,75.8 U14.2@4.8,75.2
NetT5_3: T5.3 T6.3 | length 2.8
  Bottom Layer w0.75: 0.73,73.44 T5.3@0.73,76.2
NetT6_1: T6.1 U14.3 | length 2.4
  Bottom Layer w0.2: T6.1@2.67,74.17 3.379,74.17 3.549,74.34 4.04,74.34 4.3,74.6 U14.3@4.3,75.2
NetTP1_0: U1.B1
NetTP2_0: U1.A2
NetU1_A4: U1.A4 U2.6
NetU1_J7: U1.J7 X1.2 | length 1.3
  Bottom Layer w0.152: X1.2@5.707,50.15 5.707,49.9 6.16,49.447 U1.J7@6.16,49.06
NetU1_J8: U1.J8 X1.1 | length 1.3
  Bottom Layer w0.152: U1.J8@6.66,49.06 6.66,49.453 7.107,49.9 X1.1@7.107,50.15
NetU4_1: U4.1 U4.48 | length 2.5
  Bottom Layer w0.4: U4.48@18.218,57.084 19.16,56.143 19.16,55.869 19.124,55.869 U4.1@18.536,55.281
NetU4_26: U4.26 U5.3
NetU5_6: U5.6 U6.B1 | length 1.4
  Bottom Layer w0.2: U6.B1@2.29,61.8 2.29,60.93 U5.6@2.68,60.54
REED: U4.46 U9.2 | length 53.1
  Top Layer w0.2: v1@9.755,34.226 v1(9.8,34.226) 8.875,33.3 8.875,32.5 9.175,32.2 13.625,32.2 16.89,35.465 16.89,40.566 19.623,43.299 19.623,49.974 17.222,52.375 17.222,56.038 v1(16.34,56.92)
  Bottom Layer w0.2: U9.2@7.83,19.3 7.83,23.59 9.73,25.49 9.73,27.053 9.723,27.053 9.723,28.007 9.73,28.007 9.73,32.065 9.95,32.285 9.95,34.06 9.784,34.226 v1(9.8,34.226) ; v1(16.34,56.92) 16.34,57.483 U4.46@17.08,58.223
RESET: C11.2 pad.103 R18.1 U4.34 | length 15.2
  Top Layer w0.2: v1(10.375,62.025) 13.025,62.025 13.244,62.244 13.244,62.981 13.788,63.525 16.872,63.525 v1(18.025,62.372) ; v1@18.025,62.474 v1(18.025,62.372) ; pad.103@19.575,63.675 pad.103@19.575,63.65 ; pad.103@19.788,63.438 pad.103@19.575,63.65 ; pad.103@19.885,63.65 pad.103@19.575,63.65 ; v1(18.025,62.372) 18.297,62.372 pad.103@19.575,63.65
  Bottom Layer w0.2: U4.34@9.054,62.487 9.516,62.025 v1(10.375,62.025) ; v1(18.025,62.372) 18.025,62.035 17.95,61.96 R18.1@18.02,61.89 18.02,60.8 C11.2@18.03,60.79
RXD: R5.2 T1.1 U1.J4 | length 5.7
  Top Layer w0.2: v1(2.385,52.135) 2.584,52.135 v1(4.569,50.15)
  Bottom Layer w0.2: R5.2@2.04,52.93 2.04,52.48 v1(2.385,52.135) 2.455,52.065 T1.1@3.03,52.065 ; v1(4.569,50.15) 4.66,50.059 U1.J4@4.66,49.06
SCL: pad.203 R10.1 U4.35 U11.1 | length 59.2
  Top Layer w0.2: v1(10.175,60.525) 13.423,57.277 13.423,57.026 13.702,56.747 13.953,56.747 16.568,54.132 16.568,52.104 ; v1(10.913,62.559) 13.407,65.053 v1(13.526,65.053) 14.397,65.053 14.9,64.55 15.1,64.55 v1(15.15,64.5) ; v1(15.475,37.525) 15.475,40.175 18.425,43.125 18.425,43.8 19.296,44.671 19.296,48.379 18.486,49.189 18.486,50.186 16.568,52.104 ; 16.575,52.097 16.568,52.104
  Bottom Layer w0.2: U4.35@9.627,63.059 10.127,62.559 v1(10.913,62.559) 10.913,61.263 v1(10.175,60.525) ; v1(13.526,65.053) 13.526,65.006 U11.1@14.75,66.23 ; v1(15.15,64.5) 15.15,63.85 15.867,63.133 15.908,63.133 ; v1(15.475,37.525) 16.007,38.057 18.274,38.057 18.975,37.356 18.975,36.025 19.843,35.157 19.843,30.418 19.075,29.65 19.075,27.275 v1(19.8,26.55) ; 15.909,63.132 15.927,63.132 16.076,62.983 16.089,62.983 16.172,62.9 17.03,62.9 R10.1@17.59,63.46 17.61,63.44 R10.1@17.6,63.43
SCLK: U3.3 U4.16 | length 18.2
  Top Layer w0.2: v1(5.22,66.405) 5.22,65.43 5.11,65.32 5.11,62.48 8.77,58.82 8.77,53.485 9.66,52.595 v1(9.66,51.92)
  Bottom Layer w0.2: v1@5.22,66.44 v1(5.22,66.405) 5.22,65.97 U3.3@5.29,65.9 ; U4.16@8.808,51.072 9.657,51.92 v1(9.66,51.92)
SDA: pad.204 R11.1 U4.36 U11.4 | length 63.2
  Top Layer w0.2: v1(13.415,65.705) 14.465,65.705 15.126,65.044 v1(15.725,65.044) ; v1(19.651,56.503) 20.625,55.529 20.625,41.9 18.53,39.805 18.53,38.832 18.531,38.831 18.531,25.659 18.533,25.657 18.533,24.642 18.65,24.525 pad.204@19.843,24.525
  Bottom Layer w0.2: U4.36@10.192,63.625 10.527,63.96 11.67,63.96 v1(13.415,65.705) 14.18,66.47 14.18,67.419 14.491,67.73 U11.4@14.75,67.73 14.75,68.05 15,68.3 19,68.3 19.725,67.575 19.725,58.675 19.25,58.2 19.25,56.904 v1(19.651,56.503) ; v1(15.725,65.044) 15.725,63.737 16.002,63.46 R11.1@16.47,63.46
SDAT: U3.12 U4.14 | length 17.1
  Top Layer w0.2: v1(5.6,63.81) 5.6,62.48 9.12,58.96 9.12,53.62 10.8,51.94 v1(10.8,50.79)
  Bottom Layer w0.2: v1(5.6,63.81) 5.752,63.962 U3.12@5.752,64.438 ; U4.14@9.94,49.94 10.789,50.79 v1(10.8,50.79)
SEN: U3.1 U4.17 | length 15.8
  Top Layer w0.2: v1(4.59,63.313) 4.59,62.48 8.41,58.66 8.41,53.17 v1(9.09,52.49)
  Bottom Layer w0.2: v1(4.59,63.313) 4.83,63.553 4.83,64.44 U3.1@5.29,64.9 ; U4.17@8.243,51.638 9.09,52.485 v1(9.09,52.49)
SQI_CLK: U1.E1
SQI_CS: U1.D3
SQI_D0: U1.D1
SQI_D1: U1.C1
SQI_D2: U1.E3
SQI_D3: U1.F3
SWCLK: pad.105 U4.42 | length 7.1
  Top Layer w0.2: v1(15.55,61.85) 17.375,61.85 19.575,59.65 19.525,59.6 pad.105@19.525,59.175
  Bottom Layer w0.2: U4.42@14.817,60.486 15.55,61.219 v1(15.55,61.85)
SWDIO: pad.104 U4.41 | length 6.9
  Top Layer w0.2: v1(15.625,62.7) 17.025,62.7 17.548,62.177 17.548,62.175 17.827,61.895 17.83,61.895 18.075,61.65 pad.104@19.885,61.65
  Bottom Layer w0.2: U4.41@14.251,61.051 15.025,61.825 15.025,62.1 v1(15.625,62.7)
TXD: R7.2 T1.4 U1.J5 | length 3.3
  Bottom Layer w0.2: T1.4@4.03,50.715 4.825,50.715 ; R7.2@5.02,51.36 5.02,50.91 4.825,50.715 ; U1.J5@5.16,49.06 5.16,50.38 4.825,50.715
UART2_TX: pad.106 U4.24 | length 32
  Top Layer w0.2: v1(5.425,56.45) 6.225,56.45 7.975,54.7 7.975,52.9 9.175,51.7 9.175,49.78 10.625,48.33 v1(10.625,48.35) ; v1(15.2,47.475) 18.225,47.475 v1(18.8,48.05) ; v1(19.55,52.125) 19.05,52.625 19.05,53.225 19.048,53.227 19.048,53.623 19.05,53.625 19.05,57.65 pad.106@19.86,57.65 pad.106@19.885,57.65
  Bottom Layer w0.2: U4.24@4.249,55.631 5.068,56.45 v1(5.425,56.45) ; v1(10.625,48.35) 11.5,47.475 v1(15.2,47.475) ; v1(18.8,48.05) 18.825,48.05 19.55,48.775 v1(19.55,52.125)
VBAT: C18.2 C19.2 C20.2 C21.2 C28.2 C29.2 C30.2 C33.2 P1.1 R13.2 R20.2 R35.2 T2.4 T3.4 U7.A1 U8.7 U8.8 U13.3 | length 137.4
  Top Layer w0.2: v1(3.13,67) 3.13,68.1 3.823,68.793 3.823,73.943 4.28,74.4 4.28,76.09 3.4,76.97 v1(3.4,78)
  Top Layer w0.3: v1(3.24,64.49) 2.525,63.775 2.525,62.5 3.357,61.668 3.357,58.721 1.946,57.31 1.946,57.304 1.798,57.156 1.798,55.586 1.796,55.584 1.796,50.254 2.95,49.1 4.722,49.1 8.005,45.817 v1(8.005,36.9)
  Top Layer w0.4: v1(3.525,18.45) 4.691,19.616 4.691,25.063 v1(4.747,25.118) 5.607,25.118 6.875,23.85 16.2,23.85 v1(16.3,23.95)
  Bottom Layer w0.2: R20.2@2.98,64.07 R20.2@2.9,64.15 v1(3.24,64.49) 3.24,66.04 3.41,66.21 3.64,66.21 T3.4@3.74,66.11 3.83,66.2 3.77,66.26 3.77,66.87 3.71,66.93 v1@3.217,66.93 ; v1(3.4,78) 3.4,79.2 3.7,79.5 R35.2@4.2,79.5
  Bottom Layer w0.24: v1(16.3,23.95) 16.875,23.95 17.048,23.777 18.242,23.777 18.244,23.775 18.515,23.775 T2.4@19.02,24.28
  Bottom Layer w0.25: R13.2@18.94,25.47 19.02,25.39 T2.4@19.02,24.28
  Bottom Layer w0.3: C33.2@15.535,43.36 15.544,43.369 16.099,43.369 16.328,43.14 U8.8@16.735,43.14 U8.7@17.235,43.14
  Bottom Layer w0.4: v1(3.525,18.45) 3.825,18.15 3.825,9.53 3.375,9.08 3.375,3.175 4.52,2.03 P1.1@9.15,2.03 ; U13.3@9.18,37.35 9.18,37.905 10.1,38.825 13.705,38.825 15.535,40.655 C33.2@15.535,43.36
  Bottom Layer w0.5: C29.2@3.46,22.818 C30.2@3.46,25.118 ; C18.2@4.97,31.89 4.97,30.3 C20.2@4.98,30.29 4.97,30.28 C21.2@4.97,28.93 4.97,28.45 4.4,27.88 4.4,27.38 ; C19.2@5.24,27.41 5.21,27.38 4.4,27.38 ; U13.3@9.18,37.35 8.47,37.35 8.02,36.9 v1(8.005,36.9) 8.005,35.874 7.996,35.865 8.002,35.86 8.002,35.34 7.996,35.335 7.996,35.074 8.64,34.43 8.64,26.47 7.288,25.118 v1(4.747,25.118) C30.2@3.46,25.118 ; C30.2@3.46,25.118 C28.2@3.46,27.38 4.4,27.38
VBKP: C17.2 R2.1 U4.20 | length 8.8
  Top Layer w0.2: v1(5.82,51.87) 6.413,51.277 6.413,50.962 6.692,50.682 6.692,48.578 v1(7.69,47.58)
  Bottom Layer w0.2: v1(5.82,51.87) 5.82,52.609 U4.20@6.546,53.335 ; v1@7.72,47.55 v1(7.69,47.58) 7.77,47.58 R2.1@8.3,47.05 C17.2@8.3,45.99
VCHG: C40.2 C41.2 C42.2 L6.2 R28.2 U13.1 U13.4 | length 10.3
  Bottom Layer w0.5: U13.1@9.18,35.45 9.98,35.45 ; C40.2@10.61,34.26 10.61,34.82 9.98,35.45 ; R28.2@11.19,32.14 11.56,32.14 11.913,31.787 C42.2@12.67,31.787 ; L6.2@13.83,35.48 13.83,37.25 13.73,37.35 U13.4@11.88,37.35 9.98,35.45
VGPS_EN: R23.2 R24.2 U7.B1 | length 2.2
  Bottom Layer w0.3: R23.2@3.34,30.02 3.34,31.07 R24.2@3.35,31.08 3.35,32.175 U7.B1@3.388,32.213
VIN: C31.2 C32.2 D4.K F1.2 R27.2 R33.2 U12.4 | length 16.6
  Bottom Layer w0.3: R33.2@10.25,15.16 10.255,15.165 D4.K@12.58,15.165 ; 11.47,23.909 11.5,23.94 R27.2@12.49,23.94
  Bottom Layer w0.75: F1.2@12.49,17.68 12.58,17.59 D4.K@12.58,15.215 ; F1.2@12.56,17.68 12.56,19.72 11.47,20.81 11.47,23.909 C31.2@11.47,25.507 13.9,25.507 C32.2@13.91,25.517
VSWR_AN: U4.23 U6.A2 | length 12.4
  Top Layer w0.2: v1(3.124,62.741) 3.734,62.132 3.734,58.565 2.323,57.154 2.323,57.148 2.175,57 2.175,55.43 2.173,55.428 2.173,55.032 2.452,54.753 3.3,54.753 v1(3.325,54.778)
  Bottom Layer w0.2: U6.A2@2.74,62.25 2.74,62.333 3.124,62.717 v1(3.124,62.741) ; v1(3.325,54.778) 3.405,54.778 3.376,54.749 3.55,54.575 4.382,54.575 U4.23@4.844,55.037
VSWR_EN: R21.1 U4.40 U6.C2 | length 22.1
  Top Layer w0.2: v1(1.85,63.01) 1.85,65.01 3.607,66.767 3.607,67.467 4.12,67.98 5.4,67.98 6.77,66.61 6.77,64.02 8.615,62.175 9.475,62.175 10.125,61.525 13.593,61.525 v1(14.286,62.218)
  Bottom Layer w0.2: R21.1@1.82,63.68 1.83,63.67 1.83,62.26 U6.C2@1.89,62.2
pads on no net: A2.3 A2.4 A2.5 A2.6 A2.7 U1.A6 U1.C3 U1.C4 U1.C6 U1.D9 U1.E9 U1.F1 U1.F4 U1.F6 U1.F9 U1.G4 U1.G5 U1.G9 U1.J6 U4.8 U4.9 U4.10 U4.11 U4.12 U4.13 U4.28 U4.29 U4.30 U4.31 U4.47 U8.3 U8.4 U8.5 U11.2 U11.3 U14.1

## Polygon pours and split planes (outlines as drawn)
GND on Top Layer "Top Layer-GND" (solid, remove dead copper, pour order 4): 21,82.11 0,82.11 0,0.11 21,0.11
GND on Bottom Layer "Bottom Layer-GND" (solid, remove dead copper, pour order 8): 21,82.11 21,0.11 0,0.11 0,82.11

## Keep-outs
Keep-Out Layer:
  lines w0.2: -0.1,1 ccw(c0.89,1) -0.1,0.999 ; -0.1,1 ccw(c0,1) -0.1,1 ; -0.1,1 ccw(c0,1) -0.1,0.999 ; 0.89,0.01 21.1,0.01 21.1,0.8 21.1,82.11 ; 0.89,0.01 0.89,0.01 ; 0.89,0.01 -0.1,0.01 -0.1,81.5 -0.1,82.21 21,82.21 ; 21,82.21 cw(c21,82.11) 21.1,82.11 ; 21,82.21 cw(c21,82.11) 21.1,82.11 ; 21.1,1 ccw(c21,1) 21.1,1 ; 21.1,0.999 ccw(c21,1) 21.1,1 ; 21.1,0.999 ccw(c20.11,1) 21.1,1 ; 0.609,82.21 cw(c0.61,82.11) 0.61,82.21 ccw(c0.61,81.5) 0.609,82.21

## Other copper
Top Layer:
  pour cut-out: 13.237,42.074 cw(c11.612,42.158) 11.612,40.531 cw(c11.541,42.129) 9.941,42.129 cw(c11.641,42.129) 11.553,43.827 cw(c11.553,42.142)
  pour cut-out: 8.92,82.11 8.92,71 21,71 21,82.11
Bottom Layer:
  region net VBAT: 3.82,32.34 4.08,32.34 4.13,32.29 5.37,32.29 5.37,31.49 4.557,31.49 cw(c4.557,32.4) 3.913,31.757 3.792,31.878 cw(c4.099,32.185) 3.665,32.185 cw(c3.82,32.185)
  region net LORA_ANT: 3.43,60.39 4.099,60.39 ccw(c4.099,60.73) 4.34,60.489 4.65,60.8 4.01,61.44 3.88,61.44 3.621,61.181 ccw(c4.081,60.72) 3.43,60.72
  region net NetU4_26: 4.955,57.189 3.753,58.391 cw(c4.534,59.172) 3.43,59.172 3.43,59.59 3.93,59.59 3.93,59.172 ccw(c4.534,59.172) 4.107,58.745 5.309,57.543
  region net NetA2_1: 9.355,68.05 9.355,67.43 9.925,67.43 ccw(c9.925,67.855) 10.35,67.855 10.35,68.05
  pour cut-out: 15.073,5.077 cw(c16.073,5.077) 16.073,6.077 cw(c16.073,5.077) 17.073,5.077 cw(c16.073,5.077) 16.073,4.077 cw(c16.073,5.077)
  pour cut-out: 4.081,4.851 cw(c5.081,4.851) 5.081,5.851 cw(c5.081,4.851) 6.081,4.851 cw(c5.081,4.851) 5.081,3.851 cw(c5.081,4.851)
  region net VIN: 15.645,28.26 13.113,25.728 13.113,25.07 14.707,25.07 14.71,25.067 14.71,26.324 15.895,27.509 15.895,28.26
  region net GND_BAT: 3.8,73.95 3.48,73.95 2.195,72.665 2.195,71.735 3.48,70.45 3.8,70.45
  region net +1.8V: 6.17,33.09 6.17,34.51 6.09,34.59 6.09,35.39 6.89,35.39 7.87,34.41 7.87,33.09
  region net NetL5_1: 3.815,32.79 4.219,32.79 4.281,32.852 4.51,32.852 4.51,32.427 4.281,32.427 4.219,32.49 3.815,32.49
  region net +2.5V: 17.385,44.89 17.385,45.78 17.535,45.93 17.535,46.57 16.935,46.57 16.935,45.93 17.085,45.78 17.085,44.89
  region net NetL1_1: 4.965,42.65 5.182,43.25 5.347,43.25 5.535,42.65 5.535,41.65 4.965,41.65
  region net NetU1_A4: 4.51,44.25 4.51,45.06 4.81,45.06 4.81,44.25
  region net ANT: 6.602,64.165 6.602,64.64 6.902,64.64 7.012,64.75 7.012,65.05 7.487,65.05 7.487,64.165
  region: 13.274,62.76
  region: 7.32,64.34
  region net VCHG: 14.58,33.235 14.58,32.237 14.65,32.167 14.65,31.367 12.29,31.367 12.27,31.387 12.27,32.419 13.081,33.232
  region net NetC39_2: 16.68,33.291 18.18,33.291 18.18,32.927 17.977,32.927 16.395,31.345 16.395,31.16 16.145,31.16 16.145,32.756
  pour cut-out: 21,82.11 21,71.06 8.91,71.06 8.91,82.119

## Silkscreen, mask and mechanical layers (free items; w line width, h text height)
Top Overlay:
  drawing of 378 lines, arcs and shapes, not listed
  text "LION TRACKER / V1.1 / irnas.eu" at -0.1,62.427 h1.2
  text "OPENCOLLAR / SMARTPARKS" at 1.69,10.13 h1.8
Bottom Overlay:
  text "BAT-" at 7.775,70.525 h0.8 r270
  text "BAT+" at 11.325,0.775 h0.8 r270
Bottom Paste:
  lines w0.55: 0.61,59.39 0.61,61.262 ; 0.62,40.94 0.62,39.05 1.84,39.05 ; 0.62,66.94 0.62,69.01 2.768,69.01 ; 0.64,49.66 0.64,51.533 ; 3.82,39.04 8.82,39.04 ; 6.37,69.01 8.243,69.01 ; 12.07,69 13.942,69 ; 15.12,39.05 16.45,39.05 ; 18.83,69.01 20.44,69.01 20.44,66.95 ; 19.11,39.05 20.44,39.05 20.44,40.923 ; 20.41,48.3 20.41,50.173 ; 20.43,57.358 20.43,59.23
Top Solder:
  lines w1: 0.68,30.932 0.68,50.61 ; 3.232,31.31 7.442,31.31 ; 10.13,31.28 16.76,31.28 ; 12.62,50.76 16.83,50.76
Bottom Solder:
  lines w1: 1.87,39.03 0.63,39.03 0.63,69.02 13.33,69.02 20.43,69.02 20.43,67.33 20.43,39.03 19.565,39.03 15.13,39.03 ; 3.47,39.03 9.1,39.03

## Dimensions
21,82.11 to 21,0.11 on Mechanical 16
0,82.11 to 21,82.11 on Mechanical 16

## Text inside footprints (layer, text, board x,y; h text height)
D3: Bottom Assembly "~" at 16.15,13.9 h1 r180; Bottom Assembly "-" at 18.65,16.2 h1 r180; Bottom Assembly "~" at 18.65,13.9 h1 r180; Bottom Assembly "+" at 16.15,16.2 h1 r180; Bottom Overlay "+" at 16.15,16.2 h1 r180; Bottom Overlay "-" at 18.65,16.2 h1 r180; Bottom Overlay "~" at 16.15,13.9 h1 r180; Bottom Overlay "~" at 18.65,13.9 h1 r180